# Altium PCB main - Copy.PcbDoc (part 3 of 14)
Units mil, origin at the board's own origin, x right, y up, seen from the top; angles counter-clockwise.
Board outline 8394.55 x 5164.44 mil, 7 copper layers (Top Layer 1, Layer 2, Layer 3, Unused, Layer 4_pow, Layer 5_gnd, Bottom 6+gnd), stack 46.112 mil thick; 406 components, 463 nets, 1919 pads, 903 vias.
Unrouted connection lines stored in the file: 147.
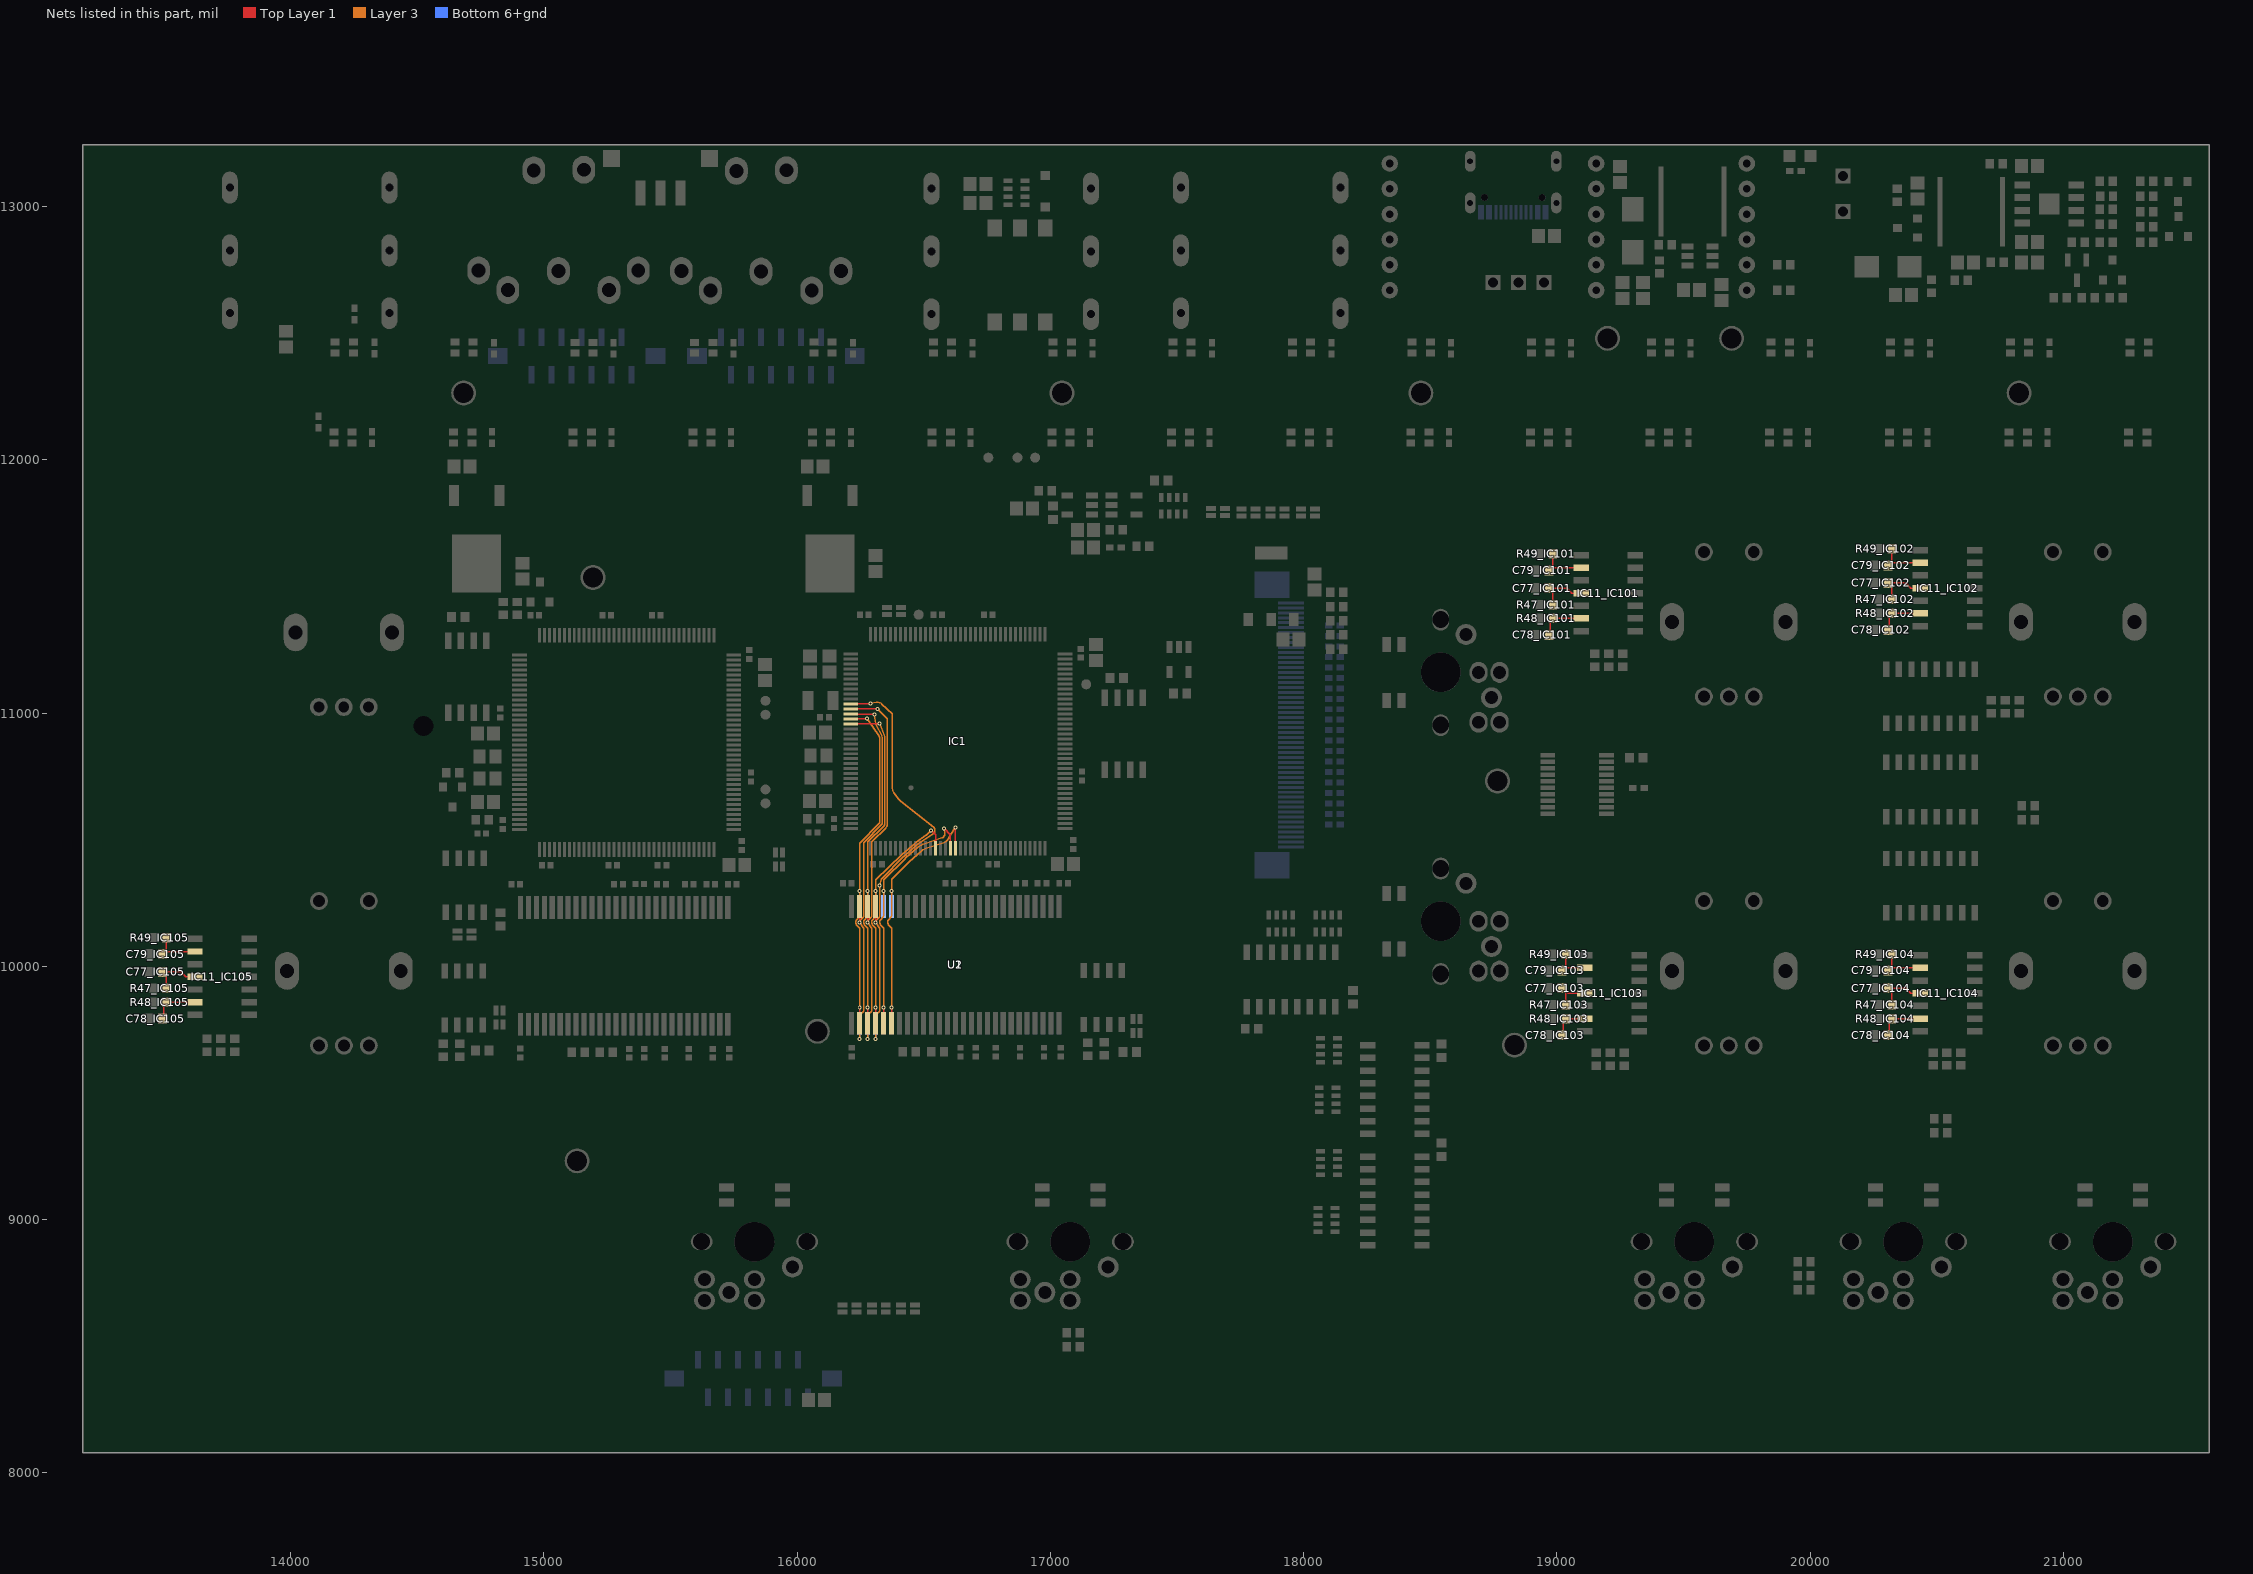
[diagram p7: the nets of this part, all layers, seen from the top]

## Via types
v1: diameter 15.75, hole 7.87, Top Layer 1 to Bottom 6+gnd, tented both sides, 830 vias
v2: diameter 27.56, hole 11.81, Top Layer 1 to Bottom 6+gnd, 45 vias
v3: diameter 23.62/23.62/23.62/23.62/23.62/23.62/23.62 (per signal layer), hole 12, Top Layer 1 to Bottom 6+gnd, tented top, 12 vias
v4: diameter 15.75, hole 7.87, Top Layer 1 to Bottom 6+gnd, 10 vias
v5: diameter 23.62/23.62/23.62/23.62/23.62/23.62/23.62 (per signal layer), hole 12, Top Layer 1 to Bottom 6+gnd, tented bottom, 6 vias

## Nets (pads, with @x,y where several pads share a name; then routed paths per layer and width w, separated by ;. In a path a pad name is that pad's centre, name@x,y a point inside that pad or via, vN(x,y) a via of type N, cw(c..) or ccw(c..) an arc to the next point about the centre after c; other vN are vias at no path point) (continued)
A1: IC1.11 U1.24 U2.24 | length 2953.5
  Top Layer 1 w5: IC1.11@16212.4,11036.61 16213.06,11037.27 16289.38,11037.27 v1(16290.2,11038.08) ; v1(16309.79,10174.13) U1.24@16309.79,10235.97
  Layer 3 w5: v1(16290.2,11038.08) 16312.52,11042.16 ; v1(16309.79,9713.5) 16309.79,9805.11 cw(c16314.8,9805.12) 16311.24,9808.63 16324.46,9821.89 ; v1(16309.79,10174.13) ccw(c16313.95,10176.92) 16309.88,10174.01 16324.99,10152.83 ; v1@16309.79,10179.83 16309.79,10179.7 cw(c16313.95,10176.92) 16310.38,10180.41 16324.46,10194.54 ; v1(16325.63,10320.11) 16325.92,10302.31 ; 16325.92,9825.38 16325.92,10149.97 ; 16335.67,10348.82 ccw(c16346.29,10338.23) 16331.89,10342.41 v1@16325.83,10321.55 ; 16335.68,10348.83 16419.34,10432.49 ; 16376.44,10994.71 16376.47,10700.78 ; 16312.52,11042.16 cw(c16317.09,11017.2) 16334.32,11035.83 ; 16312.52,11042.16 cw(c16317.09,11017.2) 16334.32,11035.83 ; 16312.52,11042.16 cw(c16317.09,11017.2) 16334.32,11035.83 ; 16312.52,11042.16 cw(c16317.09,11017.2) 16334.32,11035.83 ; 16312.52,11042.16 cw(c16317.09,11017.2) 16334.32,11035.83 ; 16324.46,9821.89 ccw(c16320.92,9825.42) 16325.92,9825.33 ; 16324.46,9821.89 ccw(c16320.92,9825.42) 16325.92,9825.33 ; 16324.46,9821.89 ccw(c16320.92,9825.42) 16325.92,9825.33 ; 16324.46,9821.89 ccw(c16320.92,9825.42) 16325.92,9825.33 ; 16324.46,9821.89 ccw(c16320.92,9825.42) 16325.92,9825.33 ; 16324.46,9821.89 ccw(c16320.92,9825.42) 16325.92,9825.33 ; 16324.46,9821.89 ccw(c16320.92,9825.42) 16325.92,9825.33 ; 16324.46,9821.89 ccw(c16320.92,9825.42) 16325.92,9825.33 ; 16324.46,9821.89 ccw(c16320.92,9825.42) 16325.92,9825.33 ; 16324.46,9821.89 ccw(c16320.92,9825.42) 16325.92,9825.33 ; 16324.46,9821.89 ccw(c16320.92,9825.42) 16325.92,9825.33 ; 16324.46,9821.89 ccw(c16320.92,9825.42) 16325.92,9825.33 ; 16324.46,9821.89 ccw(c16320.92,9825.42) 16325.92,9825.33 ; 16324.46,9821.89 ccw(c16320.92,9825.42) 16325.92,9825.33 ; 16324.46,9821.89 ccw(c16320.92,9825.42) 16325.92,9825.33 ; 16324.46,9821.89 ccw(c16320.92,9825.42) 16325.92,9825.33 ; 16324.46,10194.54 ccw(c16320.92,10198.07) 16325.92,10197.98 ; 16324.46,10194.54 ccw(c16320.92,10198.07) 16325.92,10197.98 ; 16324.46,10194.54 ccw(c16320.92,10198.07) 16325.92,10197.98 ; 16324.46,10194.54 ccw(c16320.92,10198.07) 16325.92,10197.98 ; 16324.46,10194.54 ccw(c16320.92,10198.07) 16325.92,10197.98 ; 16324.46,10194.54 ccw(c16320.92,10198.07) 16325.92,10197.98 ; 16324.46,10194.54 ccw(c16320.92,10198.07) 16325.92,10197.98 ; 16324.46,10194.54 ccw(c16320.92,10198.07) 16325.92,10197.98 ; 16324.46,10194.54 ccw(c16320.92,10198.07) 16325.92,10197.98 ; 16324.46,10194.54 ccw(c16320.92,10198.07) 16325.92,10197.98 ; 16324.46,10194.54 ccw(c16320.92,10198.07) 16325.92,10197.98 ; 16324.46,10194.54 ccw(c16320.92,10198.07) 16325.92,10197.98 ; 16324.46,10194.54 ccw(c16320.92,10198.07) 16325.92,10197.98 ; 16324.46,10194.54 ccw(c16320.92,10198.07) 16325.92,10197.98 ; 16324.46,10194.54 ccw(c16320.92,10198.07) 16325.92,10197.98 ; 16324.46,10194.54 ccw(c16320.92,10198.07) 16325.92,10197.98 ; 16324.99,10152.83 cw(c16320.92,10149.93) 16325.92,10150.02 ; 16324.99,10152.83 cw(c16320.92,10149.93) 16325.92,10150.02 ; 16324.99,10152.83 cw(c16320.92,10149.93) 16325.92,10150.02 ; 16324.99,10152.83 cw(c16320.92,10149.93) 16325.92,10150.02 ; 16324.99,10152.83 cw(c16320.92,10149.93) 16325.92,10150.02 ; 16324.99,10152.83 cw(c16320.92,10149.93) 16325.92,10150.02 ; 16324.99,10152.83 cw(c16320.92,10149.93) 16325.92,10150.02 ; 16324.99,10152.83 cw(c16320.92,10149.93) 16325.92,10150.02 ; 16324.99,10152.83 cw(c16320.92,10149.93) 16325.92,10150.02 ; 16324.99,10152.83 cw(c16320.92,10149.93) 16325.92,10150.02 ; 16324.99,10152.83 cw(c16320.92,10149.93) 16325.92,10150.02 ; 16324.99,10152.83 cw(c16320.92,10149.93) 16325.92,10150.02 ; 16324.99,10152.83 cw(c16320.92,10149.93) 16325.92,10150.02 ; 16324.99,10152.83 cw(c16320.92,10149.93) 16325.92,10150.02 ; 16324.99,10152.83 cw(c16320.92,10149.93) 16325.92,10150.02 ; 16324.99,10152.83 cw(c16320.92,10149.93) 16325.92,10150.02 ; v1@16325.63,10320.15 cw(c16330.63,10320.15) 16325.82,10321.54 ccw(c16330.63,10320.15) v1@16325.63,10320.15 ; v1@16325.63,10320.15 cw(c16330.63,10320.15) v1@16325.83,10321.55 ; v1@16325.63,10320.15 cw(c16330.63,10320.15) v1@16325.83,10321.55 ; v1@16325.63,10320.15 cw(c16330.63,10320.15) v1@16325.83,10321.55 ; v1@16325.63,10320.15 cw(c16330.63,10320.15) v1@16325.83,10321.55 ; v1@16325.63,10320.15 cw(c16330.63,10320.15) v1@16325.83,10321.55 ; v1@16325.63,10320.15 cw(c16330.63,10320.15) v1@16325.83,10321.55 ; v1@16325.63,10320.15 cw(c16330.63,10320.15) v1@16325.83,10321.55 ; v1@16325.63,10320.15 cw(c16330.63,10320.15) v1@16325.83,10321.55 ; 16325.92,10197.98 16325.92,10302.24 ; 16325.92,10302.25 ccw(c16320.92,10302.23) 16325.92,10302.31 ; 16325.92,10302.25 ccw(c16320.92,10302.23) 16325.92,10302.31 ; 16325.92,10302.25 ccw(c16320.92,10302.23) 16325.92,10302.31 ; 16325.92,10302.25 ccw(c16320.92,10302.23) 16325.92,10302.31 ; 16325.92,10302.25 ccw(c16320.92,10302.23) 16325.92,10302.31 ; 16334.32,11035.83 16374.84,10998.34 ; 16374.84,10998.34 cw(c16371.44,10994.67) 16376.44,10994.76 ; 16374.84,10998.34 cw(c16371.44,10994.67) 16376.44,10994.76 ; 16374.84,10998.34 cw(c16371.44,10994.67) 16376.44,10994.76 ; 16374.84,10998.34 cw(c16371.44,10994.67) 16376.44,10994.76 ; 16374.84,10998.34 cw(c16371.44,10994.67) 16376.44,10994.76 ; 16374.84,10998.34 cw(c16371.44,10994.67) 16376.44,10994.76 ; 16374.84,10998.34 cw(c16371.44,10994.67) 16376.44,10994.76 ; 16374.84,10998.34 cw(c16371.44,10994.67) 16376.44,10994.76 ; 16374.84,10998.34 cw(c16371.44,10994.67) 16376.44,10994.76 ; 16374.84,10998.34 cw(c16371.44,10994.67) 16376.44,10994.76 ; 16374.84,10998.34 cw(c16371.44,10994.67) 16376.44,10994.76 ; 16374.84,10998.34 cw(c16371.44,10994.67) 16376.44,10994.76 ; 16374.84,10998.34 cw(c16371.44,10994.67) 16376.44,10994.76 ; 16374.84,10998.34 cw(c16371.44,10994.67) 16376.44,10994.76 ; 16374.84,10998.34 cw(c16371.44,10994.67) 16376.44,10994.76 ; 16374.84,10998.34 cw(c16371.44,10994.67) 16376.44,10994.76 ; 16376.47,10700.78 ccw(c16401.84,10700.79) 16381.55,10685.56 ; 16376.47,10700.78 ccw(c16401.84,10700.79) 16381.55,10685.56 ; 16376.47,10700.78 ccw(c16401.84,10700.79) 16381.55,10685.56 ; 16376.47,10700.78 ccw(c16401.84,10700.79) 16381.55,10685.56 ; 16376.47,10700.78 ccw(c16401.84,10700.79) 16381.55,10685.56 ; 16376.47,10700.78 ccw(c16401.84,10700.79) 16381.55,10685.56 ; 16376.47,10700.78 ccw(c16401.84,10700.79) 16381.55,10685.56 ; 16376.47,10700.78 ccw(c16401.84,10700.79) 16381.55,10685.56 ; 16376.47,10700.78 ccw(c16401.84,10700.79) 16381.55,10685.56 ; 16376.47,10700.78 ccw(c16401.84,10700.79) 16381.55,10685.56 ; 16376.47,10700.78 ccw(c16401.84,10700.79) 16381.55,10685.56 ; 16376.47,10700.78 ccw(c16401.84,10700.79) 16381.55,10685.56 ; 16376.47,10700.78 ccw(c16401.84,10700.79) 16381.55,10685.56 ; 16376.47,10700.78 ccw(c16401.84,10700.79) 16381.55,10685.56 ; 16376.47,10700.78 ccw(c16401.84,10700.79) 16381.55,10685.56 ; 16376.47,10700.78 ccw(c16401.84,10700.79) 16381.55,10685.56 ; 16381.55,10685.56 16400.84,10659.9 ; 16400.84,10659.9 ccw(c16437.09,10687.2) 16408.9,10651.64 ; 16400.84,10659.9 ccw(c16437.09,10687.2) 16408.9,10651.64 ; 16400.84,10659.9 ccw(c16437.09,10687.2) 16408.9,10651.64 ; 16400.84,10659.9 ccw(c16437.09,10687.2) 16408.9,10651.64 ; 16400.84,10659.9 ccw(c16437.09,10687.2) 16408.9,10651.64 ; 16400.84,10659.9 ccw(c16437.09,10687.2) 16408.9,10651.64 ; 16400.84,10659.9 ccw(c16437.09,10687.2) 16408.9,10651.64 ; 16400.84,10659.9 ccw(c16437.09,10687.2) 16408.9,10651.64 ; 16400.84,10659.9 ccw(c16437.09,10687.2) 16408.9,10651.64 ; 16400.84,10659.9 ccw(c16437.09,10687.2) 16408.9,10651.64 ; 16400.84,10659.9 ccw(c16437.09,10687.2) 16408.9,10651.64 ; 16400.84,10659.9 ccw(c16437.09,10687.2) 16408.9,10651.64 ; 16400.84,10659.9 ccw(c16437.09,10687.2) 16408.9,10651.64 ; 16400.84,10659.9 ccw(c16437.09,10687.2) 16408.9,10651.64 ; 16400.84,10659.9 ccw(c16437.09,10687.2) 16408.9,10651.64 ; 16400.84,10659.9 ccw(c16437.09,10687.2) 16408.9,10651.64 ; 16408.9,10651.64 16538.57,10548.88 ; 16419.34,10432.49 cw(c16472.28,10379.36) 16422.72,10435.65 ; 16419.34,10432.49 cw(c16472.28,10379.36) 16422.72,10435.65 ; 16419.34,10432.49 cw(c16472.28,10379.36) 16422.72,10435.65 ; 16419.34,10432.49 cw(c16472.28,10379.36) 16422.72,10435.65 ; 16419.34,10432.49 cw(c16472.28,10379.36) 16422.72,10435.65 ; 16419.34,10432.49 cw(c16472.28,10379.36) 16422.72,10435.65 ; 16419.34,10432.49 cw(c16472.28,10379.36) 16422.72,10435.65 ; 16419.34,10432.49 cw(c16472.28,10379.36) 16422.72,10435.65 ; 16419.34,10432.49 cw(c16472.28,10379.36) 16422.72,10435.65 ; 16419.34,10432.49 cw(c16472.28,10379.36) 16422.72,10435.65 ; 16419.34,10432.49 cw(c16472.28,10379.36) 16422.72,10435.65 ; 16419.34,10432.49 cw(c16472.28,10379.36) 16422.72,10435.65 ; 16419.34,10432.49 cw(c16472.28,10379.36) 16422.72,10435.65 ; 16419.34,10432.49 cw(c16472.28,10379.36) 16422.72,10435.65 ; 16419.34,10432.49 cw(c16472.28,10379.36) 16422.72,10435.65 ; 16419.34,10432.49 cw(c16472.28,10379.36) 16422.72,10435.65 ; 16422.72,10435.65 16470.32,10477.63 ; 16470.32,10477.63 cw(c16526.79,10413.6) 16478.88,10484.26 ; 16470.32,10477.63 cw(c16526.79,10413.6) 16478.88,10484.26 ; 16470.32,10477.63 cw(c16526.79,10413.6) 16478.88,10484.26 ; 16470.32,10477.63 cw(c16526.79,10413.6) 16478.88,10484.26 ; 16470.32,10477.63 cw(c16526.79,10413.6) 16478.88,10484.26 ; 16470.32,10477.63 cw(c16526.79,10413.6) 16478.88,10484.26 ; 16470.32,10477.63 cw(c16526.79,10413.6) 16478.88,10484.26 ; 16470.32,10477.63 cw(c16526.79,10413.6) 16478.88,10484.26 ; 16470.32,10477.63 cw(c16526.79,10413.6) 16478.88,10484.26 ; 16470.32,10477.63 cw(c16526.79,10413.6) 16478.88,10484.26 ; 16470.32,10477.63 cw(c16526.79,10413.6) 16478.88,10484.26 ; 16470.32,10477.63 cw(c16526.79,10413.6) 16478.88,10484.26 ; 16470.32,10477.63 cw(c16526.79,10413.6) 16478.88,10484.26 ; 16470.32,10477.63 cw(c16526.79,10413.6) 16478.88,10484.26 ; 16470.32,10477.63 cw(c16526.79,10413.6) 16478.88,10484.26 ; 16470.32,10477.63 cw(c16526.79,10413.6) 16478.88,10484.26 ; 16478.88,10484.26 16537.65,10524.1 ; 16537.65,10524.11 ccw(c16529.02,10536.83) 16538.57,10548.88 ; 16537.65,10524.11 ccw(c16529.02,10536.83) 16538.57,10548.88 ; 16537.65,10524.11 ccw(c16529.02,10536.83) 16538.57,10548.88 ; 16537.65,10524.11 ccw(c16529.02,10536.83) 16538.57,10548.88 ; 16537.65,10524.11 ccw(c16529.02,10536.83) 16538.57,10548.88 ; 16537.65,10524.11 ccw(c16529.02,10536.83) 16538.57,10548.88 ; 16537.65,10524.11 ccw(c16529.02,10536.83) 16538.57,10548.88 ; 16537.65,10524.1 ccw(c16529.02,10536.83) 16538.57,10548.88
  Bottom 6+gnd w5: v1@16310.04,9713.75 U2.24@16310.04,9775.59
A2: IC1.12 U1.25 U2.25 | length 1805.6
  Top Layer 1 w5: IC1.12@16212.24,11016.77 16212.46,11016.99 16316.87,11016.99 v1(16317.09,11017.2) ; v1(16278.3,10174.13) U1.25@16278.3,10235.98
  Layer 3 w5: v1(16278.3,9713.5) 16278.3,9805.11 cw(c16283.3,9805.12) 16279.74,9808.63 16292.96,9821.89 ; v1(16278.3,10174.13) ccw(c16282.45,10176.92) 16278.39,10174.01 16293.49,10152.83 ; v1@16278.3,10179.83 16278.3,10179.7 cw(c16282.45,10176.92) 16278.88,10180.41 16292.96,10194.54 ; 16294.42,9825.38 16294.42,10150.02 ; v1(16317.09,11017.2) 16354.88,10979.41 ; 16354.96,10979.32 cw(c16351.34,10975.88) 16356.34,10975.88 16356.39,10682.14 cw(c16346.39,10682.09) 16356.39,10682.07 16356.36,10564.01 cw(c16331.36,10564.02) 16349.09,10546.4 16295.87,10493.17 ; 16292.96,9821.89 ccw(c16289.42,9825.42) 16294.42,9825.33 ; 16292.96,9821.89 ccw(c16289.42,9825.42) 16294.42,9825.33 ; 16292.96,9821.89 ccw(c16289.42,9825.42) 16294.42,9825.33 ; 16292.96,9821.89 ccw(c16289.42,9825.42) 16294.42,9825.33 ; 16292.96,9821.89 ccw(c16289.42,9825.42) 16294.42,9825.33 ; 16292.96,9821.89 ccw(c16289.42,9825.42) 16294.42,9825.33 ; 16292.96,9821.89 ccw(c16289.42,9825.42) 16294.42,9825.33 ; 16292.96,9821.89 ccw(c16289.42,9825.42) 16294.42,9825.33 ; 16292.96,9821.89 ccw(c16289.42,9825.42) 16294.42,9825.33 ; 16292.96,9821.89 ccw(c16289.42,9825.42) 16294.42,9825.33 ; 16292.96,9821.89 ccw(c16289.42,9825.42) 16294.42,9825.33 ; 16292.96,9821.89 ccw(c16289.42,9825.42) 16294.42,9825.33 ; 16292.96,9821.89 ccw(c16289.42,9825.42) 16294.42,9825.33 ; 16292.96,9821.89 ccw(c16289.42,9825.42) 16294.42,9825.33 ; 16292.96,9821.89 ccw(c16289.42,9825.42) 16294.42,9825.33 ; 16292.96,9821.89 ccw(c16289.42,9825.42) 16294.42,9825.33 ; 16292.96,10194.54 ccw(c16289.42,10198.07) 16294.42,10197.98 ; 16292.96,10194.54 ccw(c16289.42,10198.07) 16294.42,10197.98 ; 16292.96,10194.54 ccw(c16289.42,10198.07) 16294.42,10197.98 ; 16292.96,10194.54 ccw(c16289.42,10198.07) 16294.42,10197.98 ; 16292.96,10194.54 ccw(c16289.42,10198.07) 16294.42,10197.98 ; 16292.96,10194.54 ccw(c16289.42,10198.07) 16294.42,10197.98 ; 16292.96,10194.54 ccw(c16289.42,10198.07) 16294.42,10197.98 ; 16292.96,10194.54 ccw(c16289.42,10198.07) 16294.42,10197.98 ; 16292.96,10194.54 ccw(c16289.42,10198.07) 16294.42,10197.98 ; 16292.96,10194.54 ccw(c16289.42,10198.07) 16294.42,10197.98 ; 16292.96,10194.54 ccw(c16289.42,10198.07) 16294.42,10197.98 ; 16292.96,10194.54 ccw(c16289.42,10198.07) 16294.42,10197.98 ; 16292.96,10194.54 ccw(c16289.42,10198.07) 16294.42,10197.98 ; 16292.96,10194.54 ccw(c16289.42,10198.07) 16294.42,10197.98 ; 16292.96,10194.54 ccw(c16289.42,10198.07) 16294.42,10197.98 ; 16292.96,10194.54 ccw(c16289.42,10198.07) 16294.42,10197.98 ; 16293.49,10152.83 cw(c16289.42,10149.93) 16294.42,10150.02 ; 16293.49,10152.83 cw(c16289.42,10149.93) 16294.42,10150.02 ; 16293.49,10152.83 cw(c16289.42,10149.93) 16294.42,10150.02 ; 16293.49,10152.83 cw(c16289.42,10149.93) 16294.42,10150.02 ; 16293.49,10152.83 cw(c16289.42,10149.93) 16294.42,10150.02 ; 16293.49,10152.83 cw(c16289.42,10149.93) 16294.42,10150.02 ; 16293.49,10152.83 cw(c16289.42,10149.93) 16294.42,10150.02 ; 16293.49,10152.83 cw(c16289.42,10149.93) 16294.42,10150.02 ; 16293.49,10152.83 cw(c16289.42,10149.93) 16294.42,10150.02 ; 16293.49,10152.83 cw(c16289.42,10149.93) 16294.42,10150.02 ; 16293.49,10152.83 cw(c16289.42,10149.93) 16294.42,10150.02 ; 16293.49,10152.83 cw(c16289.42,10149.93) 16294.42,10150.02 ; 16293.49,10152.83 cw(c16289.42,10149.93) 16294.42,10150.02 ; 16293.49,10152.83 cw(c16289.42,10149.93) 16294.42,10150.02 ; 16293.49,10152.83 cw(c16289.42,10149.93) 16294.42,10150.02 ; 16293.49,10152.83 cw(c16289.42,10149.93) 16294.42,10150.02 ; 16294.42,10198.02 16294.42,10489.66 ; 16294.42,10489.66 cw(c16299.42,10489.66) 16295.87,10493.17 ; 16294.42,10489.66 cw(c16299.42,10489.66) 16295.87,10493.17 ; 16294.42,10489.66 cw(c16299.42,10489.66) 16295.87,10493.17 ; 16294.42,10489.66 cw(c16299.42,10489.66) 16295.87,10493.17 ; 16294.42,10489.66 cw(c16299.42,10489.66) 16295.87,10493.17 ; 16294.42,10489.66 cw(c16299.42,10489.66) 16295.87,10493.17 ; 16294.42,10489.66 cw(c16299.42,10489.66) 16295.87,10493.17 ; 16294.42,10489.66 cw(c16299.42,10489.66) 16295.87,10493.17 ; 16294.42,10489.66 cw(c16299.42,10489.66) 16295.87,10493.17 ; 16294.42,10489.66 cw(c16299.42,10489.66) 16295.87,10493.17 ; 16294.42,10489.66 cw(c16299.42,10489.66) 16295.87,10493.17 ; 16294.42,10489.66 cw(c16299.42,10489.66) 16295.87,10493.17 ; 16294.42,10489.66 cw(c16299.42,10489.66) 16295.87,10493.17 ; 16294.42,10489.66 cw(c16299.42,10489.66) 16295.87,10493.17 ; 16294.42,10489.66 cw(c16299.42,10489.66) 16295.87,10493.17 ; 16294.42,10489.66 cw(c16299.42,10489.66) 16295.87,10493.17 ; 16354.88,10979.41 cw(c16351.34,10975.88) 16354.93,10979.36 ; 16354.88,10979.41 cw(c16351.34,10975.88) 16354.93,10979.36 ; 16354.88,10979.41 cw(c16351.34,10975.88) 16354.93,10979.36 ; 16354.88,10979.41 cw(c16351.34,10975.88) 16354.93,10979.36 ; 16354.88,10979.41 cw(c16351.34,10975.88) 16354.93,10979.36 ; 16354.88,10979.41 cw(c16351.34,10975.88) 16354.93,10979.36 ; 16354.88,10979.41 cw(c16351.34,10975.88) 16354.93,10979.36 ; 16354.88,10979.41 cw(c16351.34,10975.88) 16354.93,10979.36 ; 16354.88,10979.41 cw(c16351.34,10975.88) 16354.93,10979.36 ; 16354.88,10979.41 cw(c16351.34,10975.88) 16354.93,10979.36 ; 16354.88,10979.41 cw(c16351.34,10975.88) 16354.93,10979.36 ; 16354.88,10979.41 cw(c16351.34,10975.88) 16354.93,10979.36 ; 16354.88,10979.41 cw(c16351.34,10975.88) 16354.93,10979.36 ; 16354.88,10979.41 cw(c16351.34,10975.88) 16354.93,10979.36 ; 16354.88,10979.41 cw(c16351.34,10975.88) 16354.93,10979.36 ; 16354.88,10979.41 cw(c16351.34,10975.88) 16354.93,10979.36
  Bottom 6+gnd w5: v1@16278.54,9713.75 U2.25@16278.54,9775.59
A3: IC1.13 U1.26 U2.26 | length 1741.8
  Top Layer 1 w5: IC1.13@16212.4,10997.24 16214.19,10995.45 16303.37,10995.45 v1(16305,10993.82) ; v1(16246.8,10174.13) U1.26@16246.8,10235.97
  Layer 3 w5: v1(16246.8,9713.5) 16246.8,9805.11 cw(c16251.8,9805.12) 16248.25,9808.63 16261.48,9821.86 ccw(c16257.92,9825.38) 16262.92,9825.38 16262.92,10149.97 ; v1(16246.8,10174.13) ccw(c16250.96,10176.92) 16246.89,10174.01 16262,10152.83 ; v1@16246.8,10179.83 16246.8,10179.7 cw(c16250.96,10176.92) 16247.38,10180.41 16261.47,10194.54 ; v1(16305,10993.82) 16310.4,10957.68 ; 16334.92,10560.51 16262.92,10488.52 16262.92,10198.02 ; 16336.39,10682.12 16336.34,10900.41 ccw(c16311.34,10900.41) 16333.47,10912.04 ; 16336.39,10682.13 cw(c16326.39,10682.06) 16336.38,10681.95 16336.36,10564.02 ; 16261.47,10194.54 ccw(c16257.92,10198.07) 16262.92,10197.98 ; 16261.47,10194.54 ccw(c16257.92,10198.07) 16262.92,10197.98 ; 16261.47,10194.54 ccw(c16257.92,10198.07) 16262.92,10197.98 ; 16261.47,10194.54 ccw(c16257.92,10198.07) 16262.92,10197.98 ; 16261.47,10194.54 ccw(c16257.92,10198.07) 16262.92,10197.98 ; 16261.47,10194.54 ccw(c16257.92,10198.07) 16262.92,10197.98 ; 16261.47,10194.54 ccw(c16257.92,10198.07) 16262.92,10197.98 ; 16261.47,10194.54 ccw(c16257.92,10198.07) 16262.92,10197.98 ; 16261.47,10194.54 ccw(c16257.92,10198.07) 16262.92,10197.98 ; 16261.47,10194.54 ccw(c16257.92,10198.07) 16262.92,10197.98 ; 16261.47,10194.54 ccw(c16257.92,10198.07) 16262.92,10197.98 ; 16261.47,10194.54 ccw(c16257.92,10198.07) 16262.92,10197.98 ; 16261.47,10194.54 ccw(c16257.92,10198.07) 16262.92,10197.98 ; 16261.47,10194.54 ccw(c16257.92,10198.07) 16262.92,10197.98 ; 16261.47,10194.54 ccw(c16257.92,10198.07) 16262.92,10197.98 ; 16261.47,10194.54 ccw(c16257.92,10198.07) 16262.92,10197.98 ; 16262,10152.83 cw(c16257.92,10149.93) 16262.92,10150.02 ; 16262,10152.83 cw(c16257.92,10149.93) 16262.92,10150.02 ; 16262,10152.83 cw(c16257.92,10149.93) 16262.92,10150.02 ; 16262,10152.83 cw(c16257.92,10149.93) 16262.92,10150.02 ; 16262,10152.83 cw(c16257.92,10149.93) 16262.92,10150.02 ; 16262,10152.83 cw(c16257.92,10149.93) 16262.92,10150.02 ; 16262,10152.83 cw(c16257.92,10149.93) 16262.92,10150.02 ; 16262,10152.83 cw(c16257.92,10149.93) 16262.92,10150.02 ; 16262,10152.83 cw(c16257.92,10149.93) 16262.92,10150.02 ; 16262,10152.83 cw(c16257.92,10149.93) 16262.92,10150.02 ; 16262,10152.83 cw(c16257.92,10149.93) 16262.92,10150.02 ; 16262,10152.83 cw(c16257.92,10149.93) 16262.92,10150.02 ; 16262,10152.83 cw(c16257.92,10149.93) 16262.92,10150.02 ; 16262,10152.83 cw(c16257.92,10149.93) 16262.92,10150.02 ; 16262,10152.83 cw(c16257.92,10149.93) 16262.92,10150.02 ; 16262,10152.83 cw(c16257.92,10149.93) 16262.92,10150.02 ; 16310.4,10957.68 ccw(c16325.6,10959.98) 16311.97,10952.87 ; 16310.4,10957.68 ccw(c16325.6,10959.98) 16311.97,10952.87 ; 16310.4,10957.68 ccw(c16325.6,10959.98) 16311.97,10952.87 ; 16310.4,10957.68 ccw(c16325.6,10959.98) 16311.97,10952.87 ; 16310.4,10957.68 ccw(c16325.6,10959.98) 16311.97,10952.87 ; 16310.4,10957.68 ccw(c16325.6,10959.98) 16311.97,10952.87 ; 16310.4,10957.68 ccw(c16325.6,10959.98) 16311.97,10952.87 ; 16310.4,10957.68 ccw(c16325.6,10959.98) 16311.97,10952.87 ; 16310.4,10957.68 ccw(c16325.6,10959.98) 16311.97,10952.87 ; 16310.4,10957.68 ccw(c16325.6,10959.98) 16311.97,10952.87 ; 16310.4,10957.68 ccw(c16325.6,10959.98) 16311.97,10952.87 ; 16310.4,10957.68 ccw(c16325.6,10959.98) 16311.97,10952.87 ; 16310.4,10957.68 ccw(c16325.6,10959.98) 16311.97,10952.87 ; 16310.4,10957.68 ccw(c16325.6,10959.98) 16311.97,10952.87 ; 16310.4,10957.68 ccw(c16325.6,10959.98) 16311.97,10952.87 ; 16310.4,10957.68 ccw(c16325.6,10959.98) 16311.97,10952.87 ; 16311.97,10952.87 16333.43,10912.12 ; 16333.47,10912.04 ccw(c16311.34,10900.41) 16333.43,10912.12 ; 16333.47,10912.04 ccw(c16311.34,10900.41) 16333.43,10912.1 ; 16333.47,10912.04 ccw(c16311.34,10900.41) 16333.43,10912.1 ; 16333.47,10912.04 ccw(c16311.34,10900.41) 16333.43,10912.1 ; 16333.47,10912.04 ccw(c16311.34,10900.41) 16333.43,10912.1 ; 16334.94,10560.53 ccw(c16331.36,10564.02) 16336.36,10564.02 ; 16334.94,10560.53 ccw(c16331.36,10564.02) 16336.36,10564.02 ; 16334.94,10560.53 ccw(c16331.36,10564.02) 16336.36,10564.02 ; 16334.94,10560.53 ccw(c16331.36,10564.02) 16336.36,10564.02 ; 16334.94,10560.53 ccw(c16331.36,10564.02) 16336.36,10564.02